# KiCad board woodpecker.kicad_pcb
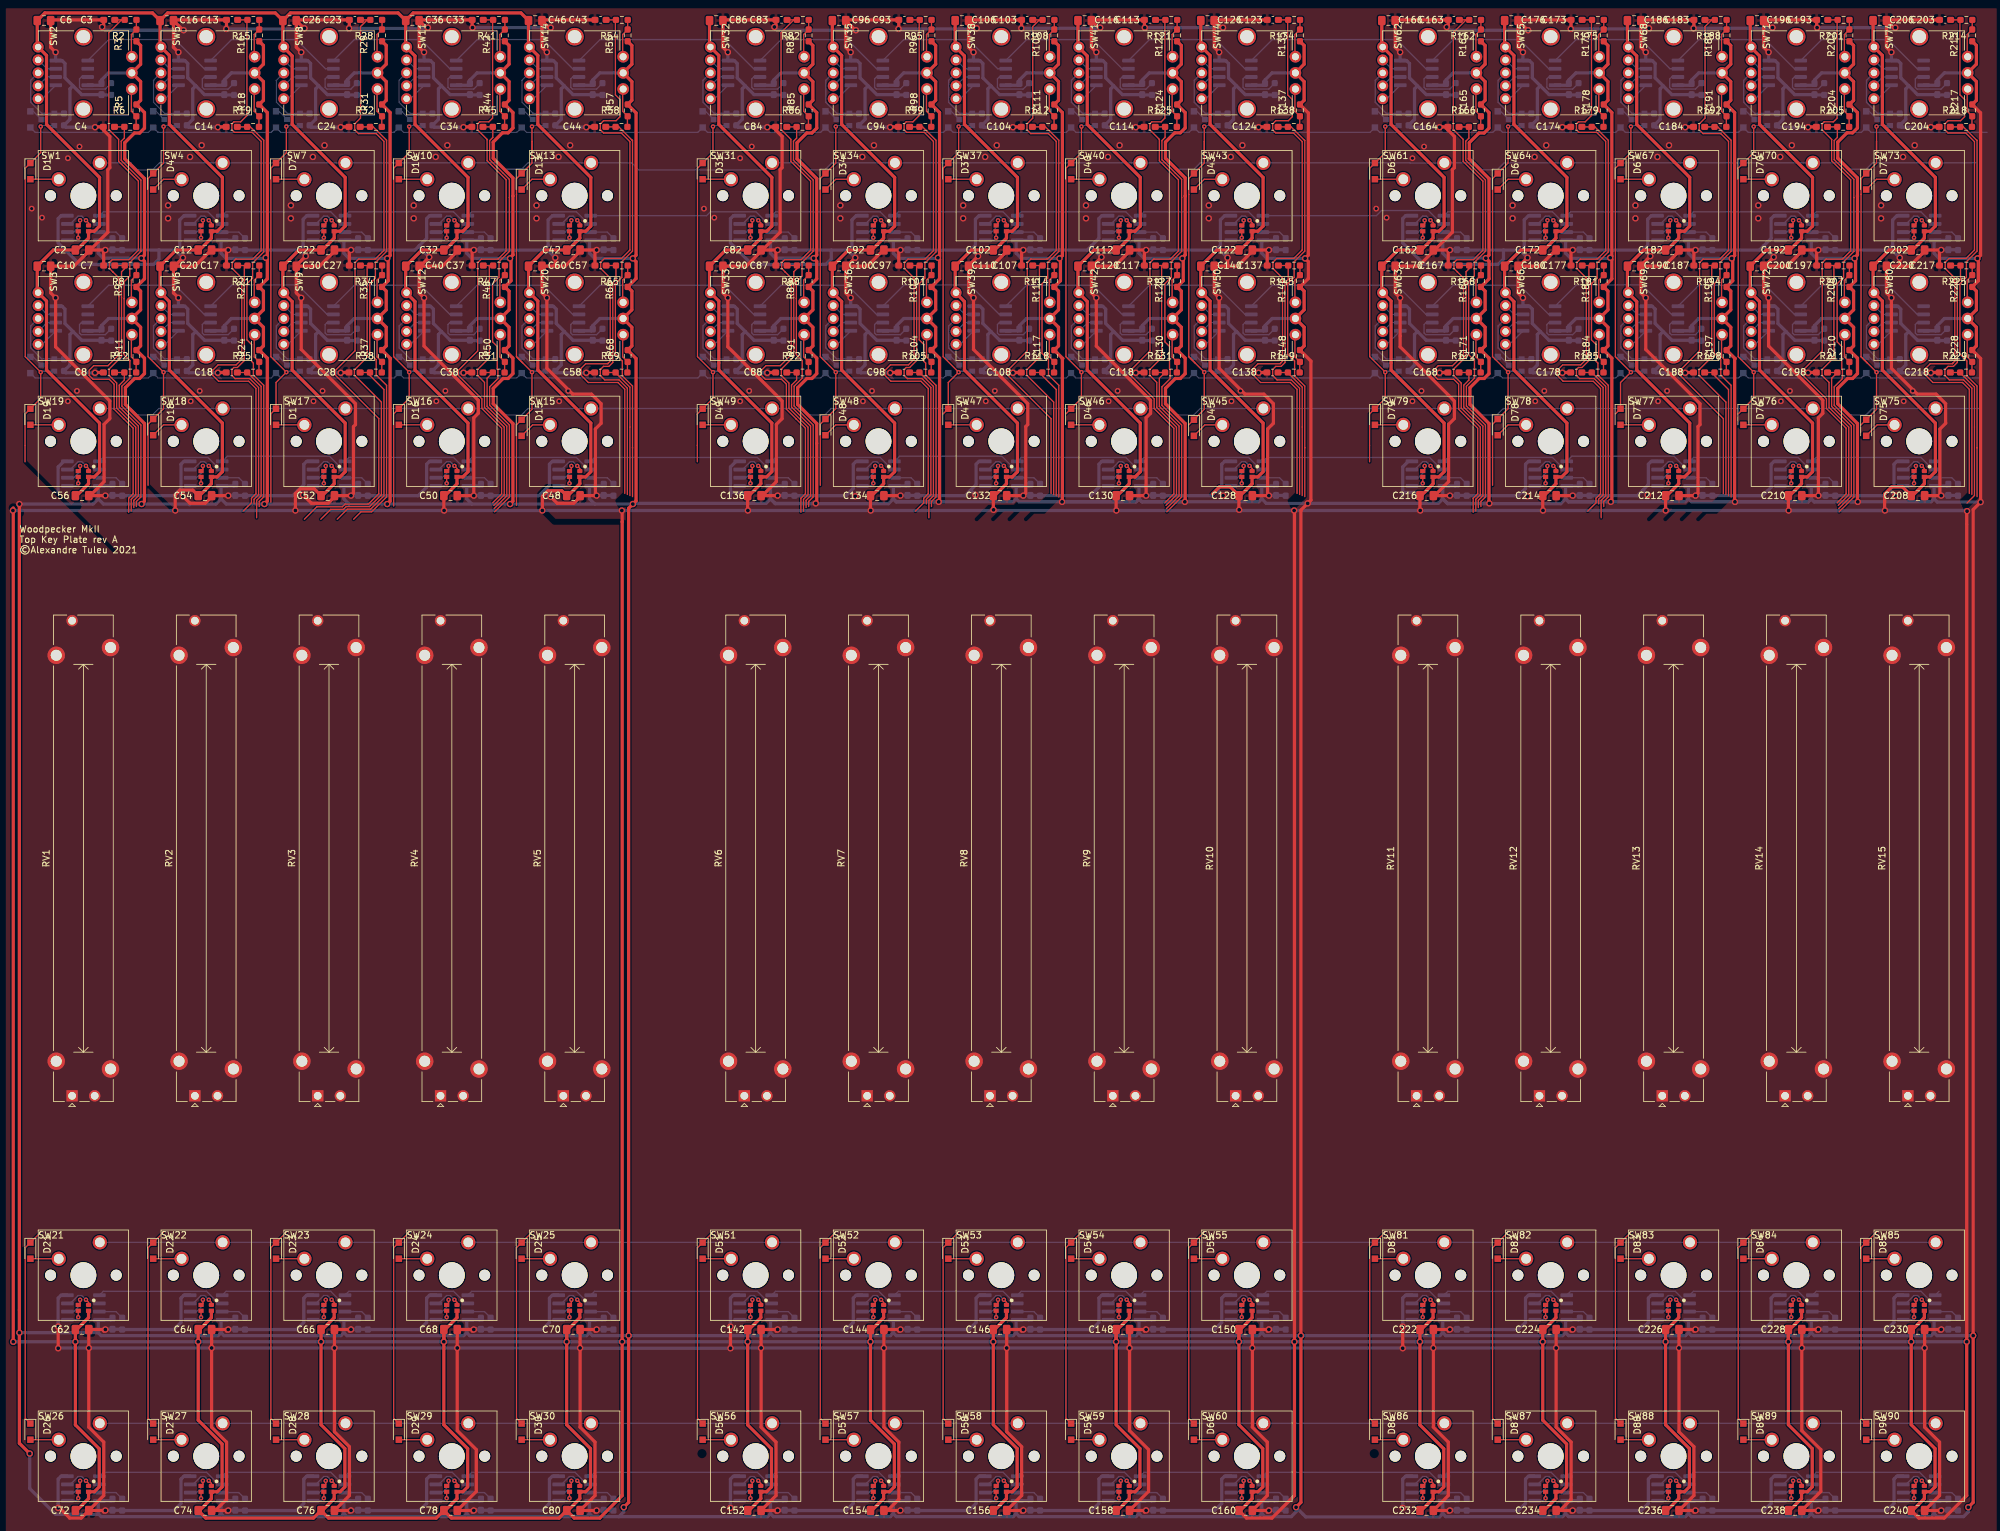
[diagram p0: board, top side]
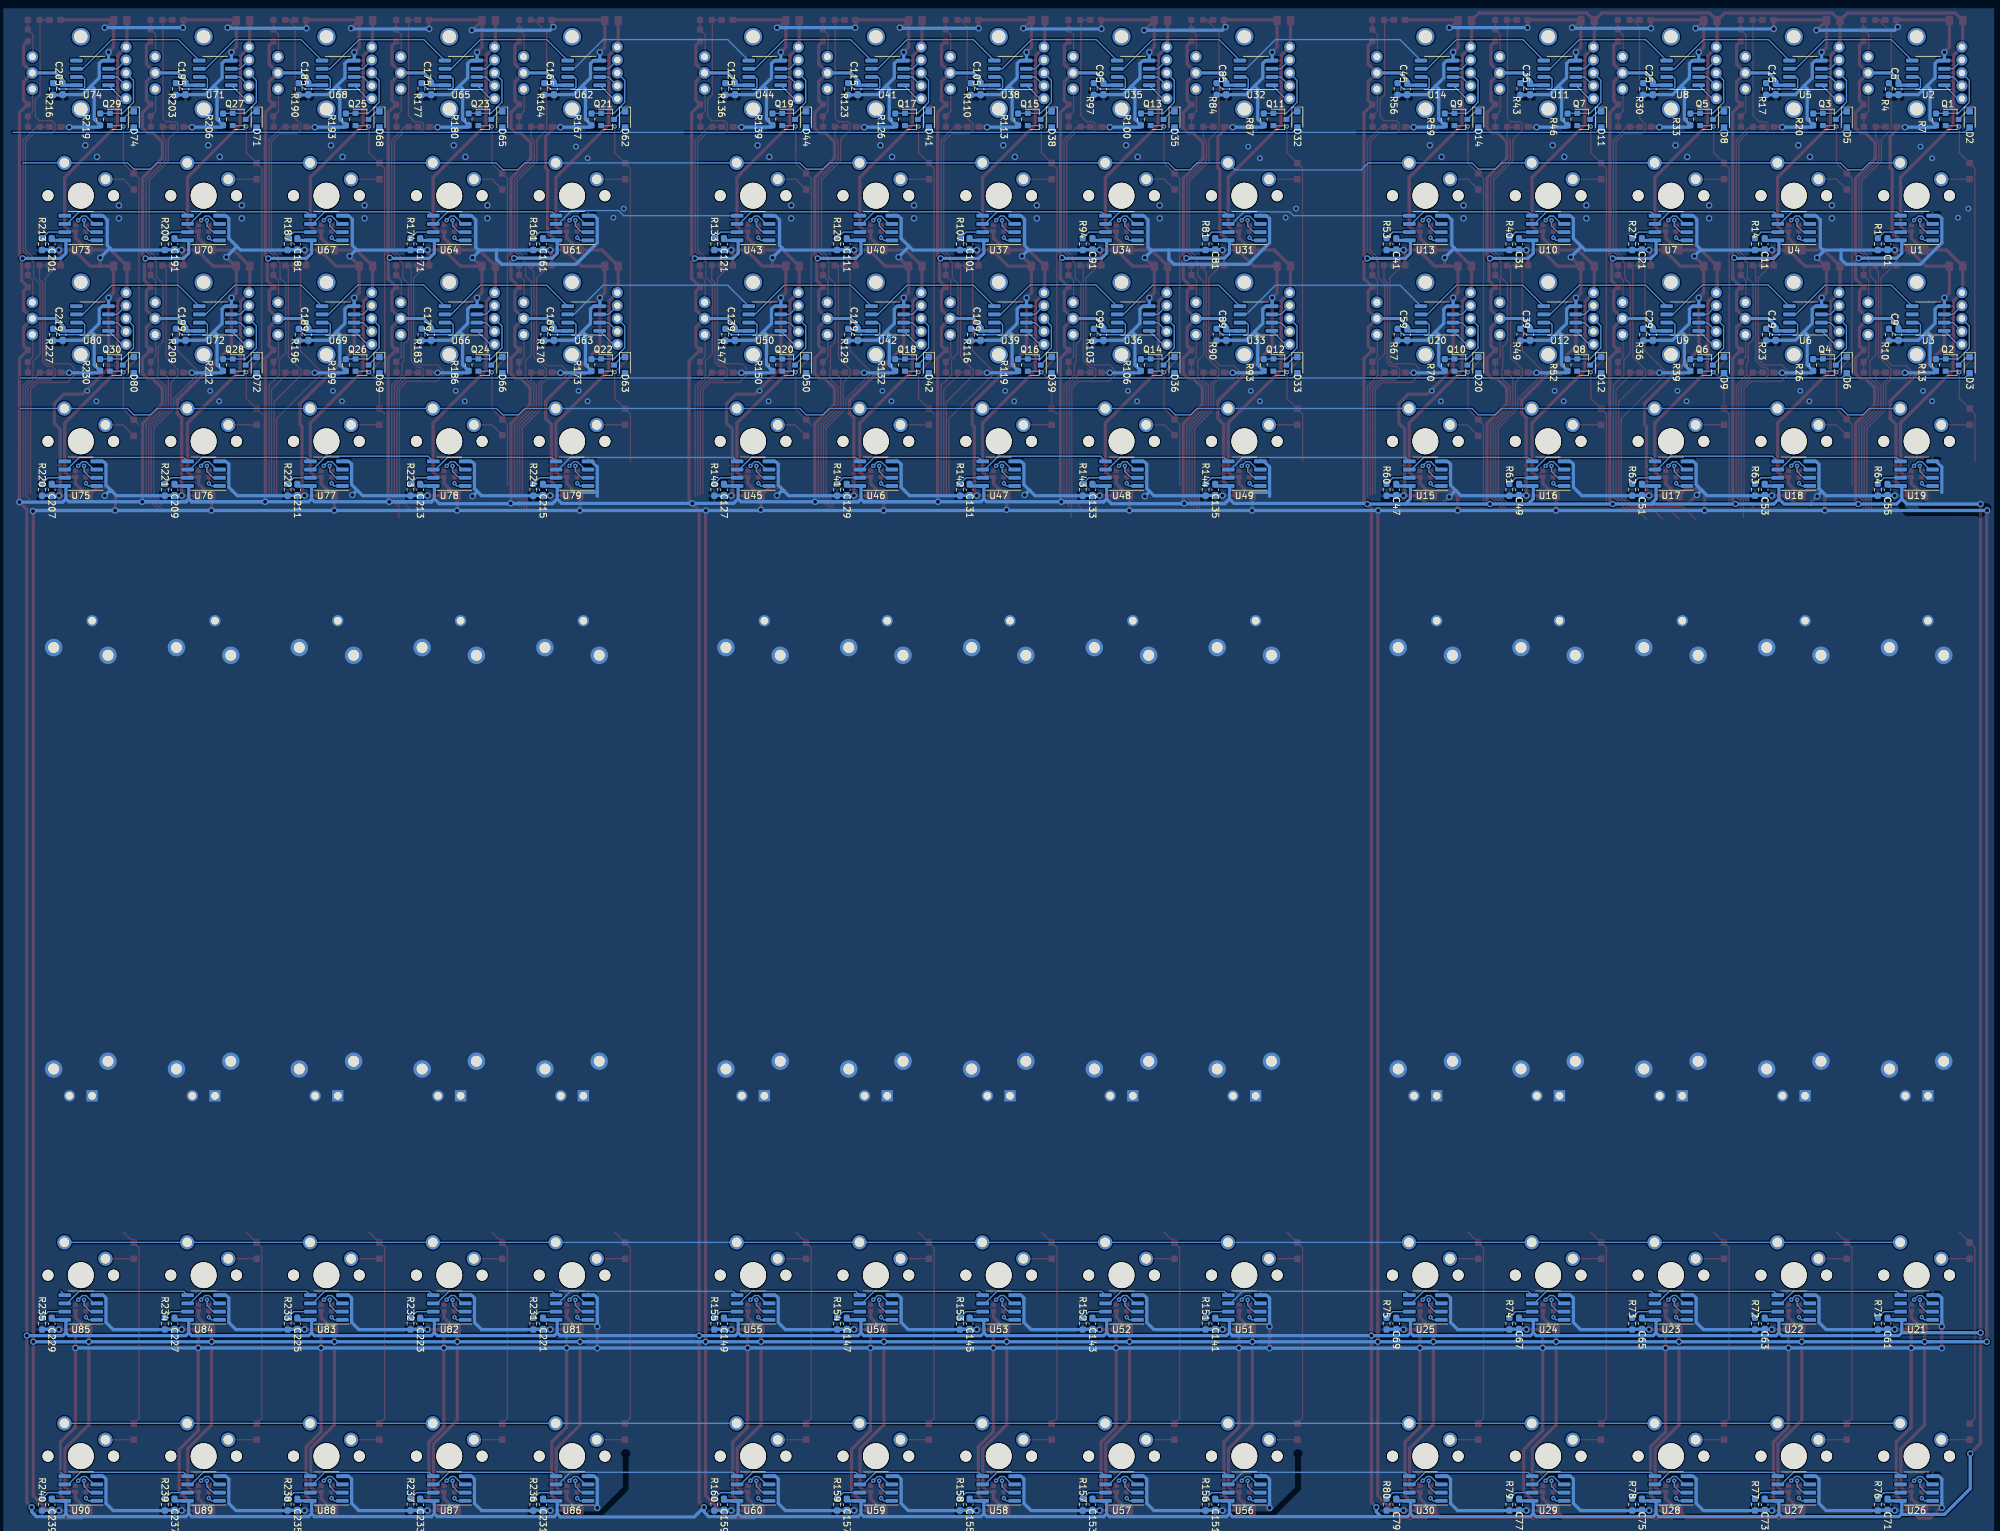
[diagram p1: board, bottom side, seen from below]

No outline. copper layers: Top, Bottom. Coordinates in mm from the lowest, leftmost part position.

## Placement (name value [footprint] x y rotation side)
C1  100nF  [C_0603_1608Metric_Pad1.08x0.95mm_HandSolder]  12.7 195.9 270 bottom
C2  2.2uF  [C_0805_2012Metric_Pad1.18x1.45mm_HandSolder]  8 195 0 top
C3  10nF  [C_0603_1608Metric_Pad1.08x0.95mm_HandSolder]  12.2 230.6 180 top
C4  10nF  [C_0603_1608Metric_Pad1.08x0.95mm_HandSolder]  12.15 214.05 180 top
C5  100nF  [C_0603_1608Metric_Pad1.08x0.95mm_HandSolder]  11 219.9 270 bottom
C6  2.2uF  [C_0805_2012Metric_Pad1.18x1.45mm_HandSolder]  2.1 230.5 0 top
C7  10nF  [C_0603_1608Metric_Pad1.08x0.95mm_HandSolder]  12.2 192.6 180 top
C8  10nF  [C_0603_1608Metric_Pad1.08x0.95mm_HandSolder]  12.15 176.05 180 top
C9  100nF  [C_0603_1608Metric_Pad1.08x0.95mm_HandSolder]  11 181.9 270 bottom
C10  2.2uF  [C_0805_2012Metric_Pad1.18x1.45mm_HandSolder]  2.1 192.5 0 top
C11  100nF  [C_0603_1608Metric_Pad1.08x0.95mm_HandSolder]  31.7 195.9 270 bottom
C12  2.2uF  [C_0805_2012Metric_Pad1.18x1.45mm_HandSolder]  27 195 0 top
C13  10nF  [C_0603_1608Metric_Pad1.08x0.95mm_HandSolder]  31.2 230.6 180 top
C14  10nF  [C_0603_1608Metric_Pad1.08x0.95mm_HandSolder]  31.15 214.05 180 top
C15  100nF  [C_0603_1608Metric_Pad1.08x0.95mm_HandSolder]  30 219.9 270 bottom
C16  2.2uF  [C_0805_2012Metric_Pad1.18x1.45mm_HandSolder]  21.1 230.5 0 top
C17  10nF  [C_0603_1608Metric_Pad1.08x0.95mm_HandSolder]  31.2 192.6 180 top
C18  10nF  [C_0603_1608Metric_Pad1.08x0.95mm_HandSolder]  31.15 176.05 180 top
C19  100nF  [C_0603_1608Metric_Pad1.08x0.95mm_HandSolder]  30 181.9 270 bottom
C20  2.2uF  [C_0805_2012Metric_Pad1.18x1.45mm_HandSolder]  21.1 192.5 0 top
C21  100nF  [C_0603_1608Metric_Pad1.08x0.95mm_HandSolder]  50.7 195.9 270 bottom
C22  2.2uF  [C_0805_2012Metric_Pad1.18x1.45mm_HandSolder]  46 195 0 top
C23  10nF  [C_0603_1608Metric_Pad1.08x0.95mm_HandSolder]  50.2 230.6 180 top
C24  10nF  [C_0603_1608Metric_Pad1.08x0.95mm_HandSolder]  50.15 214.05 180 top
C25  100nF  [C_0603_1608Metric_Pad1.08x0.95mm_HandSolder]  49 219.9 270 bottom
C26  2.2uF  [C_0805_2012Metric_Pad1.18x1.45mm_HandSolder]  40.1 230.5 0 top
C27  10nF  [C_0603_1608Metric_Pad1.08x0.95mm_HandSolder]  50.2 192.6 180 top
C28  10nF  [C_0603_1608Metric_Pad1.08x0.95mm_HandSolder]  50.15 176.05 180 top
C29  100nF  [C_0603_1608Metric_Pad1.08x0.95mm_HandSolder]  49 181.9 270 bottom
C30  2.2uF  [C_0805_2012Metric_Pad1.18x1.45mm_HandSolder]  40.1 192.5 0 top
C31  100nF  [C_0603_1608Metric_Pad1.08x0.95mm_HandSolder]  69.7 195.9 270 bottom
C32  2.2uF  [C_0805_2012Metric_Pad1.18x1.45mm_HandSolder]  65 195 0 top
C33  10nF  [C_0603_1608Metric_Pad1.08x0.95mm_HandSolder]  69.2 230.6 180 top
C34  10nF  [C_0603_1608Metric_Pad1.08x0.95mm_HandSolder]  69.15 214.05 180 top
C35  100nF  [C_0603_1608Metric_Pad1.08x0.95mm_HandSolder]  68 219.9 270 bottom
C36  2.2uF  [C_0805_2012Metric_Pad1.18x1.45mm_HandSolder]  59.1 230.5 0 top
C37  10nF  [C_0603_1608Metric_Pad1.08x0.95mm_HandSolder]  69.2 192.6 180 top
C38  10nF  [C_0603_1608Metric_Pad1.08x0.95mm_HandSolder]  69.15 176.05 180 top
C39  100nF  [C_0603_1608Metric_Pad1.08x0.95mm_HandSolder]  68 181.9 270 bottom
C40  2.2uF  [C_0805_2012Metric_Pad1.18x1.45mm_HandSolder]  59.1 192.5 0 top
C41  100nF  [C_0603_1608Metric_Pad1.08x0.95mm_HandSolder]  88.7 195.9 270 bottom
C42  2.2uF  [C_0805_2012Metric_Pad1.18x1.45mm_HandSolder]  84 195 0 top
C43  10nF  [C_0603_1608Metric_Pad1.08x0.95mm_HandSolder]  88.2 230.6 180 top
C44  10nF  [C_0603_1608Metric_Pad1.08x0.95mm_HandSolder]  88.15 214.05 180 top
C45  100nF  [C_0603_1608Metric_Pad1.08x0.95mm_HandSolder]  87 219.9 270 bottom
C46  2.2uF  [C_0805_2012Metric_Pad1.18x1.45mm_HandSolder]  78.1 230.5 0 top
C47  100nF  [C_0603_1608Metric_Pad1.08x0.95mm_HandSolder]  88.7 157.9 270 bottom
C48  2.2uF  [C_0805_2012Metric_Pad1.18x1.45mm_HandSolder]  84 157 0 top
C49  100nF  [C_0603_1608Metric_Pad1.08x0.95mm_HandSolder]  69.7 157.9 270 bottom
C50  2.2uF  [C_0805_2012Metric_Pad1.18x1.45mm_HandSolder]  65 157 0 top
C51  100nF  [C_0603_1608Metric_Pad1.08x0.95mm_HandSolder]  50.7 157.9 270 bottom
C52  2.2uF  [C_0805_2012Metric_Pad1.18x1.45mm_HandSolder]  46 157 0 top
C53  100nF  [C_0603_1608Metric_Pad1.08x0.95mm_HandSolder]  31.7 157.9 270 bottom
C54  2.2uF  [C_0805_2012Metric_Pad1.18x1.45mm_HandSolder]  27 157 0 top
C55  100nF  [C_0603_1608Metric_Pad1.08x0.95mm_HandSolder]  12.7 157.9 270 bottom
C56  2.2uF  [C_0805_2012Metric_Pad1.18x1.45mm_HandSolder]  8 157 0 top
C57  10nF  [C_0603_1608Metric_Pad1.08x0.95mm_HandSolder]  88.2 192.6 180 top
C58  10nF  [C_0603_1608Metric_Pad1.08x0.95mm_HandSolder]  88.15 176.05 180 top
C59  100nF  [C_0603_1608Metric_Pad1.08x0.95mm_HandSolder]  87 181.9 270 bottom
C60  2.2uF  [C_0805_2012Metric_Pad1.18x1.45mm_HandSolder]  78.1 192.5 0 top
C61  100nF  [C_0603_1608Metric_Pad1.08x0.95mm_HandSolder]  12.7 28.9 270 bottom
C62  2.2uF  [C_0805_2012Metric_Pad1.18x1.45mm_HandSolder]  8 28 0 top
C63  100nF  [C_0603_1608Metric_Pad1.08x0.95mm_HandSolder]  31.7 28.9 270 bottom
C64  2.2uF  [C_0805_2012Metric_Pad1.18x1.45mm_HandSolder]  27 28 0 top
C65  100nF  [C_0603_1608Metric_Pad1.08x0.95mm_HandSolder]  50.7 28.9 270 bottom
C66  2.2uF  [C_0805_2012Metric_Pad1.18x1.45mm_HandSolder]  46 28 0 top
C67  100nF  [C_0603_1608Metric_Pad1.08x0.95mm_HandSolder]  69.7 28.9 270 bottom
C68  2.2uF  [C_0805_2012Metric_Pad1.18x1.45mm_HandSolder]  65 28 0 top
C69  100nF  [C_0603_1608Metric_Pad1.08x0.95mm_HandSolder]  88.7 28.9 270 bottom
C70  2.2uF  [C_0805_2012Metric_Pad1.18x1.45mm_HandSolder]  84 28 0 top
C71  100nF  [C_0603_1608Metric_Pad1.08x0.95mm_HandSolder]  12.7 0.9 270 bottom
C72  2.2uF  [C_0805_2012Metric_Pad1.18x1.45mm_HandSolder]  8 0 0 top
C73  100nF  [C_0603_1608Metric_Pad1.08x0.95mm_HandSolder]  31.7 0.9 270 bottom
C74  2.2uF  [C_0805_2012Metric_Pad1.18x1.45mm_HandSolder]  27 0 0 top
C75  100nF  [C_0603_1608Metric_Pad1.08x0.95mm_HandSolder]  50.7 0.9 270 bottom
C76  2.2uF  [C_0805_2012Metric_Pad1.18x1.45mm_HandSolder]  46 0 0 top
C77  100nF  [C_0603_1608Metric_Pad1.08x0.95mm_HandSolder]  69.7 0.9 270 bottom
C78  2.2uF  [C_0805_2012Metric_Pad1.18x1.45mm_HandSolder]  65 0 0 top
C79  100nF  [C_0603_1608Metric_Pad1.08x0.95mm_HandSolder]  88.7 0.9 270 bottom
C80  2.2uF  [C_0805_2012Metric_Pad1.18x1.45mm_HandSolder]  84 0 0 top
C81  100nF  [C_0603_1608Metric_Pad1.08x0.95mm_HandSolder]  116.7 195.9 270 bottom
C82  2.2uF  [C_0805_2012Metric_Pad1.18x1.45mm_HandSolder]  112 195 0 top
C83  10nF  [C_0603_1608Metric_Pad1.08x0.95mm_HandSolder]  116.2 230.6 180 top
C84  10nF  [C_0603_1608Metric_Pad1.08x0.95mm_HandSolder]  116.15 214.05 180 top
C85  100nF  [C_0603_1608Metric_Pad1.08x0.95mm_HandSolder]  115 219.9 270 bottom
C86  2.2uF  [C_0805_2012Metric_Pad1.18x1.45mm_HandSolder]  106.1 230.5 0 top
C87  10nF  [C_0603_1608Metric_Pad1.08x0.95mm_HandSolder]  116.2 192.6 180 top
C88  10nF  [C_0603_1608Metric_Pad1.08x0.95mm_HandSolder]  116.15 176.05 180 top
C89  100nF  [C_0603_1608Metric_Pad1.08x0.95mm_HandSolder]  115 181.9 270 bottom
C90  2.2uF  [C_0805_2012Metric_Pad1.18x1.45mm_HandSolder]  106.1 192.5 0 top
C91  100nF  [C_0603_1608Metric_Pad1.08x0.95mm_HandSolder]  135.7 195.9 270 bottom
C92  2.2uF  [C_0805_2012Metric_Pad1.18x1.45mm_HandSolder]  131 195 0 top
C93  10nF  [C_0603_1608Metric_Pad1.08x0.95mm_HandSolder]  135.2 230.6 180 top
C94  10nF  [C_0603_1608Metric_Pad1.08x0.95mm_HandSolder]  135.15 214.05 180 top
C95  100nF  [C_0603_1608Metric_Pad1.08x0.95mm_HandSolder]  134 219.9 270 bottom
C96  2.2uF  [C_0805_2012Metric_Pad1.18x1.45mm_HandSolder]  125.1 230.5 0 top
C97  10nF  [C_0603_1608Metric_Pad1.08x0.95mm_HandSolder]  135.2 192.6 180 top
C98  10nF  [C_0603_1608Metric_Pad1.08x0.95mm_HandSolder]  135.15 176.05 180 top
C99  100nF  [C_0603_1608Metric_Pad1.08x0.95mm_HandSolder]  134 181.9 270 bottom
C100  2.2uF  [C_0805_2012Metric_Pad1.18x1.45mm_HandSolder]  125.1 192.5 0 top
C101  100nF  [C_0603_1608Metric_Pad1.08x0.95mm_HandSolder]  154.7 195.9 270 bottom
C102  2.2uF  [C_0805_2012Metric_Pad1.18x1.45mm_HandSolder]  150 195 0 top
C103  10nF  [C_0603_1608Metric_Pad1.08x0.95mm_HandSolder]  154.2 230.6 180 top
C104  10nF  [C_0603_1608Metric_Pad1.08x0.95mm_HandSolder]  154.15 214.05 180 top
C105  100nF  [C_0603_1608Metric_Pad1.08x0.95mm_HandSolder]  153 219.9 270 bottom
C106  2.2uF  [C_0805_2012Metric_Pad1.18x1.45mm_HandSolder]  144.1 230.5 0 top
C107  10nF  [C_0603_1608Metric_Pad1.08x0.95mm_HandSolder]  154.2 192.6 180 top
C108  10nF  [C_0603_1608Metric_Pad1.08x0.95mm_HandSolder]  154.15 176.05 180 top
C109  100nF  [C_0603_1608Metric_Pad1.08x0.95mm_HandSolder]  153 181.9 270 bottom
C110  2.2uF  [C_0805_2012Metric_Pad1.18x1.45mm_HandSolder]  144.1 192.5 0 top
C111  100nF  [C_0603_1608Metric_Pad1.08x0.95mm_HandSolder]  173.7 195.9 270 bottom
C112  2.2uF  [C_0805_2012Metric_Pad1.18x1.45mm_HandSolder]  169 195 0 top
C113  10nF  [C_0603_1608Metric_Pad1.08x0.95mm_HandSolder]  173.2 230.6 180 top
C114  10nF  [C_0603_1608Metric_Pad1.08x0.95mm_HandSolder]  173.15 214.05 180 top
C115  100nF  [C_0603_1608Metric_Pad1.08x0.95mm_HandSolder]  172 219.9 270 bottom
C116  2.2uF  [C_0805_2012Metric_Pad1.18x1.45mm_HandSolder]  163.1 230.5 0 top
C117  10nF  [C_0603_1608Metric_Pad1.08x0.95mm_HandSolder]  173.2 192.6 180 top
C118  10nF  [C_0603_1608Metric_Pad1.08x0.95mm_HandSolder]  173.15 176.05 180 top
C119  100nF  [C_0603_1608Metric_Pad1.08x0.95mm_HandSolder]  172 181.9 270 bottom
C120  2.2uF  [C_0805_2012Metric_Pad1.18x1.45mm_HandSolder]  163.1 192.5 0 top
C121  100nF  [C_0603_1608Metric_Pad1.08x0.95mm_HandSolder]  192.7 195.9 270 bottom
C122  2.2uF  [C_0805_2012Metric_Pad1.18x1.45mm_HandSolder]  188 195 0 top
C123  10nF  [C_0603_1608Metric_Pad1.08x0.95mm_HandSolder]  192.2 230.6 180 top
C124  10nF  [C_0603_1608Metric_Pad1.08x0.95mm_HandSolder]  192.15 214.05 180 top
C125  100nF  [C_0603_1608Metric_Pad1.08x0.95mm_HandSolder]  191 219.9 270 bottom
C126  2.2uF  [C_0805_2012Metric_Pad1.18x1.45mm_HandSolder]  182.1 230.5 0 top
C127  100nF  [C_0603_1608Metric_Pad1.08x0.95mm_HandSolder]  192.7 157.9 270 bottom
C128  2.2uF  [C_0805_2012Metric_Pad1.18x1.45mm_HandSolder]  188 157 0 top
C129  100nF  [C_0603_1608Metric_Pad1.08x0.95mm_HandSolder]  173.7 157.9 270 bottom
C130  2.2uF  [C_0805_2012Metric_Pad1.18x1.45mm_HandSolder]  169 157 0 top
C131  100nF  [C_0603_1608Metric_Pad1.08x0.95mm_HandSolder]  154.7 157.9 270 bottom
C132  2.2uF  [C_0805_2012Metric_Pad1.18x1.45mm_HandSolder]  150 157 0 top
C133  100nF  [C_0603_1608Metric_Pad1.08x0.95mm_HandSolder]  135.7 157.9 270 bottom
C134  2.2uF  [C_0805_2012Metric_Pad1.18x1.45mm_HandSolder]  131 157 0 top
C135  100nF  [C_0603_1608Metric_Pad1.08x0.95mm_HandSolder]  116.7 157.9 270 bottom
C136  2.2uF  [C_0805_2012Metric_Pad1.18x1.45mm_HandSolder]  112 157 0 top
C137  10nF  [C_0603_1608Metric_Pad1.08x0.95mm_HandSolder]  192.2 192.6 180 top
C138  10nF  [C_0603_1608Metric_Pad1.08x0.95mm_HandSolder]  192.15 176.05 180 top
C139  100nF  [C_0603_1608Metric_Pad1.08x0.95mm_HandSolder]  191 181.9 270 bottom
C140  2.2uF  [C_0805_2012Metric_Pad1.18x1.45mm_HandSolder]  182.1 192.5 0 top
C141  100nF  [C_0603_1608Metric_Pad1.08x0.95mm_HandSolder]  116.7 28.9 270 bottom
C142  2.2uF  [C_0805_2012Metric_Pad1.18x1.45mm_HandSolder]  112 28 0 top
C143  100nF  [C_0603_1608Metric_Pad1.08x0.95mm_HandSolder]  135.7 28.9 270 bottom
C144  2.2uF  [C_0805_2012Metric_Pad1.18x1.45mm_HandSolder]  131 28 0 top
C145  100nF  [C_0603_1608Metric_Pad1.08x0.95mm_HandSolder]  154.7 28.9 270 bottom
C146  2.2uF  [C_0805_2012Metric_Pad1.18x1.45mm_HandSolder]  150 28 0 top
C147  100nF  [C_0603_1608Metric_Pad1.08x0.95mm_HandSolder]  173.7 28.9 270 bottom
C148  2.2uF  [C_0805_2012Metric_Pad1.18x1.45mm_HandSolder]  169 28 0 top
C149  100nF  [C_0603_1608Metric_Pad1.08x0.95mm_HandSolder]  192.7 28.9 270 bottom
C150  2.2uF  [C_0805_2012Metric_Pad1.18x1.45mm_HandSolder]  188 28 0 top
C151  100nF  [C_0603_1608Metric_Pad1.08x0.95mm_HandSolder]  116.7 0.9 270 bottom
C152  2.2uF  [C_0805_2012Metric_Pad1.18x1.45mm_HandSolder]  112 0 0 top
C153  100nF  [C_0603_1608Metric_Pad1.08x0.95mm_HandSolder]  135.7 0.9 270 bottom
C154  2.2uF  [C_0805_2012Metric_Pad1.18x1.45mm_HandSolder]  131 0 0 top
C155  100nF  [C_0603_1608Metric_Pad1.08x0.95mm_HandSolder]  154.7 0.9 270 bottom
C156  2.2uF  [C_0805_2012Metric_Pad1.18x1.45mm_HandSolder]  150 0 0 top
C157  100nF  [C_0603_1608Metric_Pad1.08x0.95mm_HandSolder]  173.7 0.9 270 bottom
C158  2.2uF  [C_0805_2012Metric_Pad1.18x1.45mm_HandSolder]  169 0 0 top
C159  100nF  [C_0603_1608Metric_Pad1.08x0.95mm_HandSolder]  192.7 0.9 270 bottom
C160  2.2uF  [C_0805_2012Metric_Pad1.18x1.45mm_HandSolder]  188 0 0 top
C161  100nF  [C_0603_1608Metric_Pad1.08x0.95mm_HandSolder]  220.7 195.9 270 bottom
C162  2.2uF  [C_0805_2012Metric_Pad1.18x1.45mm_HandSolder]  216 195 0 top
C163  10nF  [C_0603_1608Metric_Pad1.08x0.95mm_HandSolder]  220.2 230.6 180 top
C164  10nF  [C_0603_1608Metric_Pad1.08x0.95mm_HandSolder]  220.15 214.05 180 top
C165  100nF  [C_0603_1608Metric_Pad1.08x0.95mm_HandSolder]  219 219.9 270 bottom
C166  2.2uF  [C_0805_2012Metric_Pad1.18x1.45mm_HandSolder]  210.1 230.5 0 top
C167  10nF  [C_0603_1608Metric_Pad1.08x0.95mm_HandSolder]  220.2 192.6 180 top
C168  10nF  [C_0603_1608Metric_Pad1.08x0.95mm_HandSolder]  220.15 176.05 180 top
C169  100nF  [C_0603_1608Metric_Pad1.08x0.95mm_HandSolder]  219 181.9 270 bottom
C170  2.2uF  [C_0805_2012Metric_Pad1.18x1.45mm_HandSolder]  210.1 192.5 0 top
C171  100nF  [C_0603_1608Metric_Pad1.08x0.95mm_HandSolder]  239.7 195.9 270 bottom
C172  2.2uF  [C_0805_2012Metric_Pad1.18x1.45mm_HandSolder]  235 195 0 top
C173  10nF  [C_0603_1608Metric_Pad1.08x0.95mm_HandSolder]  239.2 230.6 180 top
C174  10nF  [C_0603_1608Metric_Pad1.08x0.95mm_HandSolder]  239.15 214.05 180 top
C175  100nF  [C_0603_1608Metric_Pad1.08x0.95mm_HandSolder]  238 219.9 270 bottom
C176  2.2uF  [C_0805_2012Metric_Pad1.18x1.45mm_HandSolder]  229.1 230.5 0 top
C177  10nF  [C_0603_1608Metric_Pad1.08x0.95mm_HandSolder]  239.2 192.6 180 top
C178  10nF  [C_0603_1608Metric_Pad1.08x0.95mm_HandSolder]  239.15 176.05 180 top
C179  100nF  [C_0603_1608Metric_Pad1.08x0.95mm_HandSolder]  238 181.9 270 bottom
C180  2.2uF  [C_0805_2012Metric_Pad1.18x1.45mm_HandSolder]  229.1 192.5 0 top
C181  100nF  [C_0603_1608Metric_Pad1.08x0.95mm_HandSolder]  258.7 195.9 270 bottom
C182  2.2uF  [C_0805_2012Metric_Pad1.18x1.45mm_HandSolder]  254 195 0 top
C183  10nF  [C_0603_1608Metric_Pad1.08x0.95mm_HandSolder]  258.2 230.6 180 top
C184  10nF  [C_0603_1608Metric_Pad1.08x0.95mm_HandSolder]  258.15 214.05 180 top
C185  100nF  [C_0603_1608Metric_Pad1.08x0.95mm_HandSolder]  257 219.9 270 bottom
C186  2.2uF  [C_0805_2012Metric_Pad1.18x1.45mm_HandSolder]  248.1 230.5 0 top
C187  10nF  [C_0603_1608Metric_Pad1.08x0.95mm_HandSolder]  258.2 192.6 180 top
C188  10nF  [C_0603_1608Metric_Pad1.08x0.95mm_HandSolder]  258.15 176.05 180 top
C189  100nF  [C_0603_1608Metric_Pad1.08x0.95mm_HandSolder]  257 181.9 270 bottom
C190  2.2uF  [C_0805_2012Metric_Pad1.18x1.45mm_HandSolder]  248.1 192.5 0 top
C191  100nF  [C_0603_1608Metric_Pad1.08x0.95mm_HandSolder]  277.7 195.9 270 bottom
C192  2.2uF  [C_0805_2012Metric_Pad1.18x1.45mm_HandSolder]  273 195 0 top
C193  10nF  [C_0603_1608Metric_Pad1.08x0.95mm_HandSolder]  277.2 230.6 180 top
C194  10nF  [C_0603_1608Metric_Pad1.08x0.95mm_HandSolder]  277.15 214.05 180 top
C195  100nF  [C_0603_1608Metric_Pad1.08x0.95mm_HandSolder]  276 219.9 270 bottom
C196  2.2uF  [C_0805_2012Metric_Pad1.18x1.45mm_HandSolder]  267.1 230.5 0 top
C197  10nF  [C_0603_1608Metric_Pad1.08x0.95mm_HandSolder]  277.2 192.6 180 top
C198  10nF  [C_0603_1608Metric_Pad1.08x0.95mm_HandSolder]  277.15 176.05 180 top
C199  100nF  [C_0603_1608Metric_Pad1.08x0.95mm_HandSolder]  276 181.9 270 bottom
C200  2.2uF  [C_0805_2012Metric_Pad1.18x1.45mm_HandSolder]  267.1 192.5 0 top
C201  100nF  [C_0603_1608Metric_Pad1.08x0.95mm_HandSolder]  296.7 195.9 270 bottom
C202  2.2uF  [C_0805_2012Metric_Pad1.18x1.45mm_HandSolder]  292 195 0 top
C203  10nF  [C_0603_1608Metric_Pad1.08x0.95mm_HandSolder]  296.2 230.6 180 top
C204  10nF  [C_0603_1608Metric_Pad1.08x0.95mm_HandSolder]  296.15 214.05 180 top
C205  100nF  [C_0603_1608Metric_Pad1.08x0.95mm_HandSolder]  295 219.9 270 bottom
C206  2.2uF  [C_0805_2012Metric_Pad1.18x1.45mm_HandSolder]  286.1 230.5 0 top
C207  100nF  [C_0603_1608Metric_Pad1.08x0.95mm_HandSolder]  296.7 157.9 270 bottom
C208  2.2uF  [C_0805_2012Metric_Pad1.18x1.45mm_HandSolder]  292 157 0 top
C209  100nF  [C_0603_1608Metric_Pad1.08x0.95mm_HandSolder]  277.7 157.9 270 bottom
C210  2.2uF  [C_0805_2012Metric_Pad1.18x1.45mm_HandSolder]  273 157 0 top
C211  100nF  [C_0603_1608Metric_Pad1.08x0.95mm_HandSolder]  258.7 157.9 270 bottom
C212  2.2uF  [C_0805_2012Metric_Pad1.18x1.45mm_HandSolder]  254 157 0 top
C213  100nF  [C_0603_1608Metric_Pad1.08x0.95mm_HandSolder]  239.7 157.9 270 bottom
C214  2.2uF  [C_0805_2012Metric_Pad1.18x1.45mm_HandSolder]  235 157 0 top
C215  100nF  [C_0603_1608Metric_Pad1.08x0.95mm_HandSolder]  220.7 157.9 270 bottom
C216  2.2uF  [C_0805_2012Metric_Pad1.18x1.45mm_HandSolder]  216 157 0 top
C217  10nF  [C_0603_1608Metric_Pad1.08x0.95mm_HandSolder]  296.2 192.6 180 top
C218  10nF  [C_0603_1608Metric_Pad1.08x0.95mm_HandSolder]  296.15 176.05 180 top
C219  100nF  [C_0603_1608Metric_Pad1.08x0.95mm_HandSolder]  295 181.9 270 bottom
C220  2.2uF  [C_0805_2012Metric_Pad1.18x1.45mm_HandSolder]  286.1 192.5 0 top
C221  100nF  [C_0603_1608Metric_Pad1.08x0.95mm_HandSolder]  220.7 28.9 270 bottom
C222  2.2uF  [C_0805_2012Metric_Pad1.18x1.45mm_HandSolder]  216 28 0 top
C223  100nF  [C_0603_1608Metric_Pad1.08x0.95mm_HandSolder]  239.7 28.9 270 bottom
C224  2.2uF  [C_0805_2012Metric_Pad1.18x1.45mm_HandSolder]  235 28 0 top
C225  100nF  [C_0603_1608Metric_Pad1.08x0.95mm_HandSolder]  258.7 28.9 270 bottom
C226  2.2uF  [C_0805_2012Metric_Pad1.18x1.45mm_HandSolder]  254 28 0 top
C227  100nF  [C_0603_1608Metric_Pad1.08x0.95mm_HandSolder]  277.7 28.9 270 bottom
C228  2.2uF  [C_0805_2012Metric_Pad1.18x1.45mm_HandSolder]  273 28 0 top
C229  100nF  [C_0603_1608Metric_Pad1.08x0.95mm_HandSolder]  296.7 28.9 270 bottom
C230  2.2uF  [C_0805_2012Metric_Pad1.18x1.45mm_HandSolder]  292 28 0 top
C231  100nF  [C_0603_1608Metric_Pad1.08x0.95mm_HandSolder]  220.7 0.9 270 bottom
C232  2.2uF  [C_0805_2012Metric_Pad1.18x1.45mm_HandSolder]  216 0 0 top
C233  100nF  [C_0603_1608Metric_Pad1.08x0.95mm_HandSolder]  239.7 0.9 270 bottom
C234  2.2uF  [C_0805_2012Metric_Pad1.18x1.45mm_HandSolder]  235 0 0 top
C235  100nF  [C_0603_1608Metric_Pad1.08x0.95mm_HandSolder]  258.7 0.9 270 bottom
C236  2.2uF  [C_0805_2012Metric_Pad1.18x1.45mm_HandSolder]  254 0 0 top
C237  100nF  [C_0603_1608Metric_Pad1.08x0.95mm_HandSolder]  277.7 0.9 270 bottom
C238  2.2uF  [C_0805_2012Metric_Pad1.18x1.45mm_HandSolder]  273 0 0 top
C239  100nF  [C_0603_1608Metric_Pad1.08x0.95mm_HandSolder]  296.7 0.9 270 bottom
C240  2.2uF  [C_0805_2012Metric_Pad1.18x1.45mm_HandSolder]  292 0 0 top
D1  1N4148WS  [D_SOD-323_HandSoldering]  0 207.2 270 top